# KiCad board 11-10084__speedy_processing_module__B.kicad_pcb (continued)
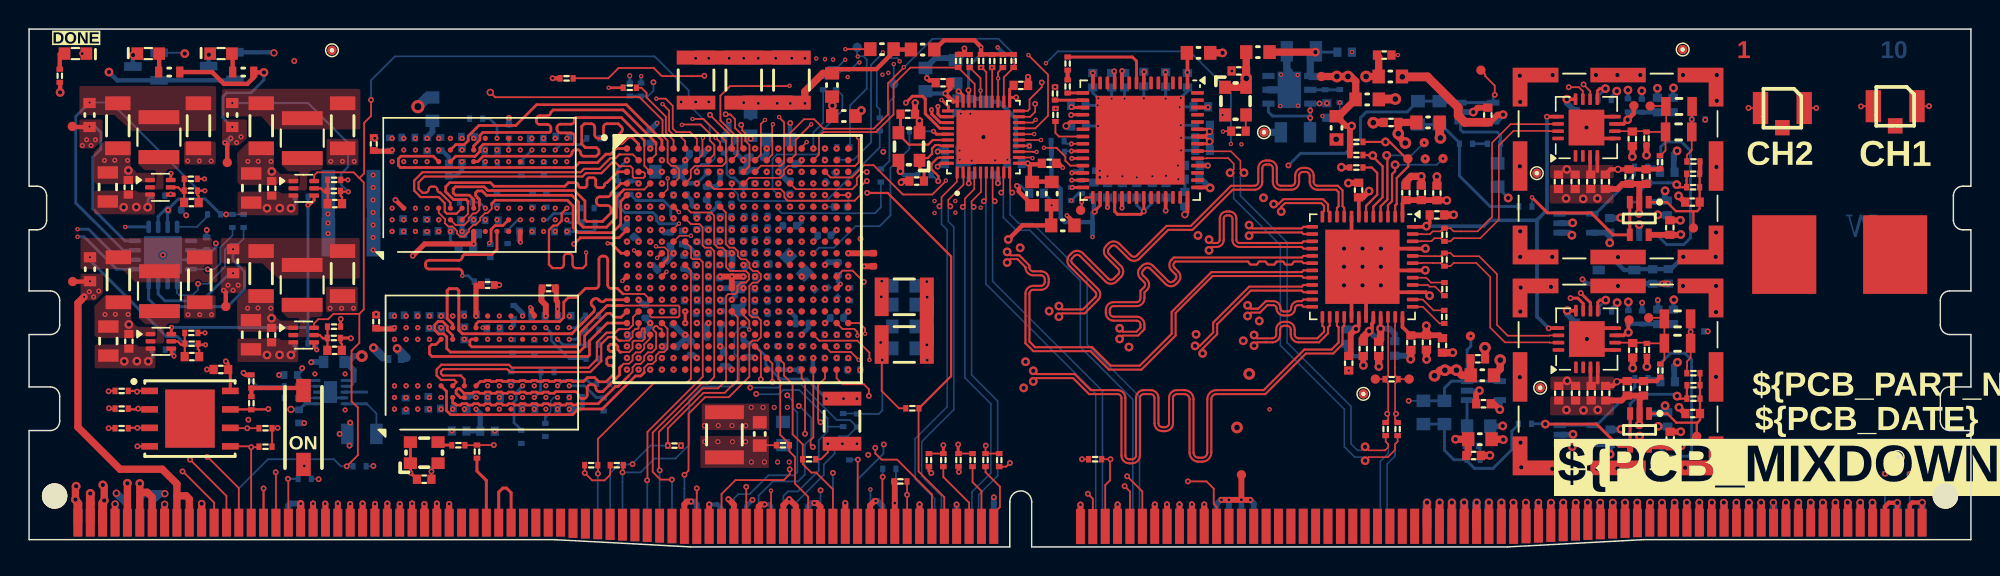
[diagram p0: board, top side]
## Routing (per net, layer and track width the routed paths; a pad name or vN(x,y) marks a point on that pad's centre or on a via; arc(x,y) is an arc through that point) (continued)
  L1 w0.143: 76.3,15.05 76.32,15.07 76.32,15.29 arc(76.24,15.48) 76.06,15.55 74.48,15.55 arc(74.1,15.71) 73.94,16.09 73.94,16.29 arc(74.1,16.67) 74.48,16.83 76.06,16.83 arc(76.24,16.9) 76.32,17.09 76.32,17.61 76.57,17.86 arc(76.64,18.03) 76.57,18.2 76.31,18.47 arc(76.16,18.83) 76.31,19.2 76.44,19.33 arc(76.81,19.49) 77.17,19.33 78.24,18.26 arc(78.41,18.19) 78.59,18.26 78.72,18.4 arc(78.79,18.57) 78.72,18.74 78.45,19.01 arc(78.3,19.37) 78.45,19.74 78.61,19.89 87.4,19.89 87.52,20.01 U9.17
  L5 w0.133: v3(74.89,15.03) 74.66,14.79 72.92,14.79 arc(72.54,14.64) 72.38,14.26 72.38,13.84 arc(72.31,13.65) 72.12,13.57 71.92,13.57 arc(71.73,13.65) 71.65,13.84 71.65,14.92 arc(71.53,15.2) 71.26,15.32 70.78,15.32 arc(70.5,15.2) 70.38,14.92 70.38,13.84 arc(70.31,13.65) 70.12,13.57 69.92,13.57 arc(69.73,13.65) 69.65,13.84 69.65,14.26 arc(69.49,14.64) 69.12,14.79 68.12,14.79 arc(67.75,14.64) 67.6,14.28 67.6,13.14 arc(67.53,12.97) 67.36,12.89 67.17,12.89 arc(66.99,12.97) 66.92,13.14 66.92,14.28 arc(66.77,14.64) 66.41,14.79 65.86,14.79 arc(65.72,14.85) 65.66,15 arc(65.52,15.33) 65.19,15.47 64.86,15.47 arc(64.53,15.33) 64.39,15 arc(64.33,14.85) 64.19,14.79 63.74,14.79 arc(63.37,14.64) 63.21,14.26 63.21,13.3 arc(63.13,13.11) 62.94,13.03 62.74,13.03 arc(62.56,13.11) 62.48,13.3 62.48,14.26 arc(62.32,14.64) 61.94,14.79 58.38,14.79 57.7,15.47 55.37,15.47 54.92,15.03 54.92,14.86 v2(54.66,14.59)
/TOP_LEVEL_IO/ZYNQ_FPGA/LCLK-: length 57.4
  L1 w0.133: v3(74.89,14.3) 75.12,14.53 76.15,14.53 76.48,14.86
  L1 w0.143: U9.18 87.52,19.51 87.4,19.62 86.9,19.62 arc(86.82,19.59) 86.79,19.52 arc(86.76,19.44) 86.68,19.41 86.3,19.41 arc(86.22,19.44) 86.19,19.52 arc(86.16,19.59) 86.08,19.62 85.7,19.62 arc(85.62,19.59) 85.59,19.52 arc(85.56,19.44) 85.48,19.41 85.1,19.41 arc(85.02,19.44) 84.99,19.52 arc(84.96,19.59) 84.88,19.62 84.5,19.62 arc(84.42,19.59) 84.39,19.51 arc(84.36,19.44) 84.28,19.41 83.9,19.41 arc(83.82,19.44) 83.79,19.51 arc(83.76,19.59) 83.68,19.62 78.72,19.62 78.65,19.55 arc(78.58,19.37) 78.65,19.2 78.91,18.94 arc(79.06,18.57) 78.91,18.21 78.78,18.07 arc(78.41,17.92) 78.05,18.07 76.98,19.14 arc(76.81,19.21) 76.63,19.14 76.5,19.01 arc(76.43,18.83) 76.5,18.66 76.77,18.4 arc(76.92,18.03) 76.77,17.67 76.59,17.49 76.59,17.09 arc(76.44,16.71) 76.06,16.55 74.48,16.55 arc(74.29,16.48) 74.22,16.29 74.22,16.09 arc(74.29,15.9) 74.48,15.83 76.06,15.83 arc(76.44,15.67) 76.59,15.29 76.59,14.97 76.48,14.86
  L5 w0.133: v3(74.89,14.3) 74.66,14.53 72.92,14.53 arc(72.73,14.45) 72.65,14.26 72.65,13.84 arc(72.49,13.47) 72.12,13.31 71.92,13.31 arc(71.54,13.47) 71.38,13.84 71.38,14.92 arc(71.35,15.01) 71.26,15.05 70.78,15.05 arc(70.69,15.01) 70.65,14.92 70.65,13.84 arc(70.49,13.47) 70.12,13.31 69.92,13.31 arc(69.54,13.47) 69.38,13.84 69.38,14.26 arc(69.31,14.45) 69.12,14.53 68.12,14.53 arc(67.94,14.46) 67.87,14.28 67.87,13.14 arc(67.72,12.78) 67.36,12.63 67.17,12.63 arc(66.8,12.78) 66.65,13.14 66.65,14.28 arc(66.58,14.46) 66.41,14.53 65.86,14.53 arc(65.53,14.67) 65.39,15 arc(65.33,15.14) 65.19,15.2 64.86,15.2 arc(64.72,15.14) 64.66,15 arc(64.52,14.67) 64.19,14.53 63.74,14.53 arc(63.56,14.45) 63.48,14.26 63.48,13.3 arc(63.32,12.93) 62.94,12.77 62.74,12.77 arc(62.37,12.93) 62.21,13.3 62.21,14.26 arc(62.13,14.45) 61.94,14.53 58.28,14.53 57.6,15.21 55.47,15.21 55.19,14.92 55.19,14.86 v2(55.46,14.59)
/TOP_LEVEL_IO/ZYNQ_PS/DDR3_A0: length 42.7
  L7 w0.1: v2(34.53,23.29) 34.53,23.04 34.88,22.69 34.88,22.25 34.65,22.01 34.39,22.01 34.13,21.74 34.13,21.19
  L7 w0.155: 34.13,21.19 34.13,20.52 arc(34.07,20.38) 33.93,20.32 33.65,20.32 arc(33.51,20.27) 33.46,20.13 33.46,20.04 arc(33.51,19.9) 33.65,19.84 33.93,19.84 arc(34.07,19.79) 34.13,19.65 34.13,19.56 arc(34.07,19.42) 33.93,19.36 33.65,19.36 arc(33.51,19.31) 33.46,19.17 33.46,19.08 arc(33.51,18.94) 33.65,18.88 33.93,18.88 arc(34.07,18.83) 34.13,18.69 34.13,18.6 arc(34.07,18.46) 33.93,18.4 33.65,18.4 arc(33.51,18.35) 33.46,18.21 33.46,18.12 arc(33.51,17.98) 33.65,17.92 34.4,17.92 arc(34.54,17.87) 34.6,17.73 34.6,17.64 arc(34.54,17.5) 34.4,17.44 34.32,17.44 arc(34.18,17.39) 34.13,17.25 34.13,16.67 34.07,16.61 34.07,16.32 34.3,16.09 34.3,14.04 34.69,13.65 v2(34.69,11.07) 34.69,10.77 35.08,10.39 35.08,9.39 35.65,8.82 38.07,8.82 arc(38.24,8.89) 38.31,9.06 38.31,9.08 arc(38.39,9.25) 38.55,9.32 38.67,9.32 arc(38.84,9.25) 38.91,9.08 38.91,9.06 arc(38.99,8.89) 39.15,8.82 39.3,8.82 39.64,9.16 arc(39.69,9.28) 39.64,9.4 39.42,9.61 arc(39.37,9.74) 39.42,9.86 39.48,9.92 arc(39.6,9.97) 39.73,9.92 39.94,9.7 arc(40.06,9.65) 40.18,9.7 40.25,9.76 arc(40.3,9.88) 40.25,10.01 40.03,10.22 arc(39.98,10.34) 40.03,10.47 40.09,10.53 arc(40.21,10.58) 40.33,10.53 40.55,10.31 arc(40.67,10.26) 40.79,10.31 40.85,10.37 arc(40.9,10.49) 40.85,10.61 40.39,11.08 arc(40.34,11.2) 40.39,11.32 40.45,11.38 arc(40.57,11.43) 40.69,11.38 41.16,10.92 arc(41.28,10.87) 41.4,10.92 41.5,11.02 41.5,14.74 40.45,15.79 40.33,15.79 39.68,16.44 39.68,18.22 40.49,19.03 41.91,19.03 42.21,18.73 42.21,18.3 41.86,17.95 v2(41.86,17.79)
/TOP_LEVEL_IO/ZYNQ_PS/DDR3_A1: length 42.7
  L1 w0.187: 41.74,20.19 v2(41.54,20.38)
  L5 w0.155: v2(41.54,20.38) 42.04,20.38 42.3,20.64 42.3,21.27 42.15,21.42 41.48,21.42 41.41,21.35 41.41,20.84 41.06,20.49 40.38,20.49 39.88,19.99 39.18,19.99 38.68,19.49 38.68,18.34 arc(38.71,18.24) 38.81,18.2 arc(38.91,18.16) 38.95,18.07 38.95,17.74 arc(38.91,17.64) 38.81,17.6 arc(38.71,17.56) 38.68,17.47 38.68,17.14 arc(38.71,17.04) 38.81,17 arc(38.91,16.96) 38.95,16.87 38.95,16.54 arc(38.91,16.44) 38.81,16.4 arc(38.71,16.36) 38.68,16.27 38.68,15.94 arc(38.71,15.84) 38.81,15.8 arc(38.91,15.76) 38.95,15.67 38.95,15.34 arc(38.91,15.24) 38.81,15.2 arc(38.71,15.16) 38.68,15.07 38.68,14.42 38.15,13.89 arc(38.1,13.76) 38.15,13.63 arc(38.2,13.5) 38.15,13.37 37.99,13.21 arc(37.86,13.15) 37.73,13.21 arc(37.59,13.26) 37.46,13.21 37.2,12.94 36.64,12.94 arc(36.47,13.01) 36.4,13.18 36.4,13.46 arc(36.33,13.63) 36.16,13.7 36.04,13.7 arc(35.87,13.63) 35.8,13.46 35.8,13.18 arc(35.73,13.01) 35.56,12.94 33.63,12.94 33.48,13.09 33.48,13.59 33.78,13.89 34,13.89 34.38,13.52 35.08,13.52 35.5,13.94 35.5,14.26 v2(35.49,14.27) 35.14,14.63 35.14,15.29 34.83,15.61 34.83,16.82 34.15,17.49 34.15,17.88 arc(34.21,18.03) 34.35,18.08 34.51,18.08 arc(34.65,18.14) 34.71,18.28 34.71,18.38 arc(34.65,18.53) 34.51,18.58 33.84,18.58 arc(33.7,18.64) 33.64,18.78 33.64,18.88 arc(33.7,19.03) 33.84,19.08 34.51,19.08 arc(34.65,19.14) 34.71,19.28 34.71,19.38 arc(34.65,19.53) 34.51,19.58 33.84,19.58 arc(33.7,19.64) 33.64,19.78 33.64,19.88 arc(33.7,20.03) 33.84,20.08 34.51,20.08 arc(34.65,20.14) 34.71,20.28 34.71,20.38 arc(34.65,20.53) 34.51,20.58 34.35,20.58 arc(34.21,20.64) 34.15,20.78 34.15,21.04 33.38,21.82 33.38,23.68 33.52,23.83 arc(33.59,23.86) 33.66,23.83 arc(33.73,23.8) 33.8,23.83 33.96,23.99 arc(33.99,24.06) 33.96,24.13 33.82,24.27 arc(33.79,24.34) 33.82,24.41 33.99,24.58 arc(34.06,24.61) 34.13,24.58 34.27,24.44 arc(34.34,24.41) 34.41,24.44 34.57,24.6 arc(34.6,24.67) 34.57,24.74 34.43,24.88 arc(34.4,24.95) 34.43,25.02 34.59,25.18 arc(34.66,25.21) 34.74,25.18 arc(34.81,25.16) 34.88,25.18 35.33,25.64 v2(35.33,26.49)
/TOP_LEVEL_IO/ZYNQ_PS/DDR3_A2: length 44.4
  L7 w0.155: v2(35.33,23.29) 35.33,25.12 35.7,25.49 36.13,25.49 36.28,25.64 36.28,25.99 36.15,26.12 35.43,26.12 34.88,25.58 34.88,23.01 35.03,22.87 35.48,22.87 35.68,22.66 35.68,21.41 arc(35.74,21.28) 35.87,21.23 arc(36,21.17) 36.05,21.04 36.05,20.81 arc(36,20.68) 35.87,20.63 35.5,20.63 arc(35.37,20.57) 35.31,20.44 35.31,20.21 arc(35.37,20.08) 35.5,20.03 35.87,20.03 arc(36,19.97) 36.05,19.84 36.05,19.61 arc(36,19.48) 35.87,19.43 35.5,19.43 arc(35.37,19.37) 35.31,19.24 35.31,19.01 arc(35.37,18.88) 35.5,18.83 35.87,18.83 arc(36,18.77) 36.05,18.64 36.05,18.41 arc(36,18.28) 35.87,18.23 arc(35.74,18.17) 35.68,18.04 35.68,17.13 35.85,16.97 35.85,13.92 35.49,13.56 v2(35.49,11.07) 35.49,10.94 35.94,10.49 35.94,10.03 36.05,9.92 38.05,9.92 38.83,10.69 38.83,11.27 arc(38.9,11.44) 39.07,11.51 39.54,11.51 arc(39.7,11.58) 39.78,11.75 39.78,11.87 arc(39.7,12.04) 39.54,12.11 39.07,12.11 arc(38.9,12.18) 38.83,12.35 38.83,19.49 39.13,19.79 39.13,20.77 39.65,21.29 40.13,21.29 41.68,19.74 42,19.74 42.28,19.47 42.28,19.19 42.66,18.81 v2(42.66,18.59)
/TOP_LEVEL_IO/ZYNQ_PS/DDR3_A3: length 44.5
  L7 w0.1: 42.78,19.74 42.78,19.73 43.01,19.49 43.13,19.49
  L7 w0.155: 43.13,19.49 43.3,19.49 43.64,19.83 43.64,20.16 44.15,20.67 44.15,20.9 arc(44.18,20.98) 44.26,21.01 44.59,21.01 arc(44.67,21.04) 44.7,21.12 44.7,21.18 arc(44.67,21.26) 44.59,21.29 44.26,21.29 arc(44.18,21.32) 44.15,21.4 44.15,21.46 arc(44.18,21.54) 44.26,21.57 44.49,21.57 arc(44.57,21.6) 44.6,21.68 44.6,21.74 arc(44.57,21.82) 44.49,21.85 44.26,21.85 arc(44.18,21.88) 44.15,21.96 44.15,22.14 43.9,22.39 43.9,22.79 45.48,24.37 45.48,26.67 44.4,27.74 38.27,27.74 37.47,26.93 35.17,26.93 34.88,26.65 34.88,26.34 34.18,25.63 34.18,25.23 arc(34.12,25.11) 34,25.05 33.92,25.05 arc(33.79,25) 33.74,24.87 33.74,24.78 arc(33.79,24.66) 33.92,24.6 34.44,24.6 arc(34.56,24.55) 34.62,24.42 34.62,24.33 arc(34.56,24.21) 34.44,24.15 33.92,24.15 arc(33.79,24.1) 33.74,23.97 33.74,23.88 arc(33.79,23.76) 33.92,23.7 34,23.7 arc(34.12,23.65) 34.18,23.52 34.18,22.98 34.53,22.63 v2(34.53,22.49) 34.53,22.47 33.18,21.12 33.18,17.44 33.44,17.17 33.44,14.22 34.3,13.37 34.3,10.77 34.35,10.72 34.35,10.62 v2(34.69,10.27) ; v2(42.66,20.19) 42.66,19.86 42.77,19.74
  L10 w0.187: v2(34.69,10.27) 35.12,10.7 35.12,12.02
/TOP_LEVEL_IO/ZYNQ_PS/DDR3_A4: length 44.6
  L1 w0.187: v2(43.78,18.92) 43.46,18.6
  L5 w0.155: v2(35.49,15.07) 35.49,15.3 35.14,15.66 35.14,20.51 34.18,21.47 34.18,23.67 35.68,25.18 35.68,26.68 35.33,27.04 v2(35.33,27.29) 34.98,27.64 34.98,28.47 35.95,29.44 40.95,29.44 42.25,28.14 42.25,27.06 42.73,26.58 42.73,25.14 44.2,23.67 44.2,23.03 43.9,22.73 43.9,22.2 44.2,21.9 44.2,21.29 44.95,20.54 46.8,20.54 47.1,20.24 47.1,18.47 46.77,18.14 44.03,18.14 44.03,18.14 43.98,18.14 43.78,18.34 v2(43.78,18.92)
  L10 w0.187: v2(35.49,15.07) 35.86,14.7 35.86,14.18 37.1,12.94 38.22,12.94
/TOP_LEVEL_IO/ZYNQ_PS/DDR3_A5: length 42.9
  L7 w0.155: v2(41.06,19.39) 40.79,19.65 40.79,20.21 40.41,20.59 39.95,20.59 39.53,20.17 39.53,19.85 arc(39.6,19.68) 39.77,19.61 39.99,19.61 arc(40.15,19.54) 40.23,19.37 40.23,19.25 arc(40.15,19.08) 39.99,19.01 39.77,19.01 arc(39.6,18.94) 39.53,18.77 39.53,18.69 39.2,18.37 39.2,16.28 40.08,15.4 40.08,14.52 arc(40.02,14.39) 39.89,14.34 39.49,14.34 arc(39.36,14.28) 39.31,14.15 39.31,14.05 arc(39.36,13.92) 39.49,13.87 40.51,13.87 arc(40.64,13.81) 40.7,13.68 40.7,13.58 arc(40.64,13.45) 40.51,13.4 39.49,13.4 arc(39.36,13.34) 39.31,13.21 39.31,13.11 arc(39.36,12.98) 39.49,12.93 40.56,12.93 arc(40.69,12.87) 40.75,12.74 40.75,12.64 arc(40.69,12.51) 40.56,12.46 40.26,12.46 arc(40.13,12.4) 40.08,12.27 40.08,10.89 39.96,10.78 arc(39.79,10.71) 39.62,10.78 39.57,10.83 arc(39.4,10.9) 39.23,10.83 39.15,10.74 arc(39.08,10.57) 39.15,10.4 39.2,10.36 arc(39.27,10.19) 39.2,10.02 39.08,9.89 38.68,9.89 38.35,9.57 37.75,9.57 37.3,9.12 36.15,9.12 35.94,9.33 35.94,9.33 35.84,9.42 35.84,9.7 35.49,10.05 v2(35.49,10.27) 35.49,10.58 35.35,10.72 35.34,10.72 35.14,10.93 35.14,10.93 35.1,10.97 35.1,16.57 34.98,16.69 34.98,17.32 arc(35.04,17.46) 35.18,17.52 arc(35.33,17.58) 35.39,17.73 35.39,17.92 arc(35.33,18.06) 35.18,18.12 34.71,18.12 arc(34.54,18.19) 34.47,18.36 34.47,18.48 arc(34.54,18.65) 34.71,18.72 34.74,18.72 arc(34.91,18.79) 34.98,18.96 34.98,19.08 arc(34.91,19.25) 34.74,19.32 34.71,19.32 arc(34.54,19.39) 34.47,19.56 34.47,19.68 arc(34.54,19.85) 34.71,19.92 34.74,19.92 arc(34.91,19.99) 34.98,20.16 34.98,20.28 arc(34.91,20.45) 34.74,20.52 34.71,20.52 arc(34.54,20.59) 34.47,20.76 34.47,20.88 arc(34.54,21.05) 34.71,21.12 34.74,21.12 arc(34.91,21.19) 34.98,21.36 34.98,21.86 35.33,22.21 v2(35.33,22.49)
  L10 w0.187: 37.87,23.29 37.5,22.92 36.03,22.92 35.6,22.49 v2(35.33,22.49)
/TOP_LEVEL_IO/ZYNQ_PS/DDR3_A6: length 45.7
  L1 w0.1: 43.83,19.76 43.88,19.81 43.88,20.37 43.65,20.59 43.13,20.59 v2(43.05,20.67)
  L1 w0.187: IC1.L4 43.83,19.76
  L5 w0.1: 43.9,19.29 43.9,19.28 44.19,18.99 44.4,18.99
  L5 w0.155: v2(36.13,27.29) 36.13,27.21 36.48,26.86 36.48,26.36 36.55,26.29 36.55,24.47 35.75,23.67 35.75,21.24 36.74,20.26 36.74,19.51 arc(36.68,19.37) 36.54,19.31 arc(36.4,19.25) 36.34,19.11 36.34,18.91 arc(36.4,18.77) 36.54,18.71 36.91,18.71 arc(37.04,18.66) 37.09,18.53 37.09,18.28 arc(37.04,18.16) 36.91,18.11 36.54,18.11 arc(36.4,18.05) 36.34,17.91 36.34,17.71 arc(36.4,17.57) 36.54,17.51 36.91,17.51 arc(37.04,17.46) 37.09,17.33 37.09,17.08 arc(37.04,16.96) 36.91,16.91 arc(36.79,16.86) 36.74,16.73 36.74,15.83 36.29,15.38 v2(36.29,15.07) 36.29,14.77 36.74,14.33 36.74,14.13 36.94,13.92 37.24,13.92 37.44,14.13 37.44,14.31 38.3,15.17 38.3,19.79 38.6,20.1 38.6,20.5 38.3,20.81 38.3,20.97 38.45,21.12 38.93,21.12 39.53,20.52 39.87,20.52 40.3,20.94 40.3,21.54 40.5,21.75 40.93,21.75 41.42,22.23 41.91,22.23 42.12,22.02 42.33,22.02 42.54,22.23 42.78,22.23 43,22.02 43.13,22.02 43.33,22.22 43.52,22.22 43.88,21.87 43.88,21.12 44.7,20.29 44.7,19.89 44.78,19.82 45.93,19.82 46.28,19.47 46.28,19.14 46.13,18.99 44.4,18.99 ; 43.9,19.29 43.8,19.39 43.8,19.69 43.05,20.44 v2(43.05,20.67)
  L10 w0.187: 38.27,28.09 37.83,27.66 36.5,27.66 v2(36.13,27.29)
/TOP_LEVEL_IO/ZYNQ_PS/DDR3_A7: length 45.2
  L1 w0.187: 43.45,20.19 v2(43.13,19.87)
  L7 w0.155: v2(43.13,19.87) 43.13,20.16 43.81,20.84 43.81,22.03 43.6,22.23 43.18,22.23 43.05,22.37 43.05,22.69 43.3,22.94 43.51,22.94 44.7,24.13 44.7,25.13 arc(44.77,25.28) 44.92,25.35 arc(45.08,25.41) 45.14,25.57 45.14,25.73 arc(45.08,25.88) 44.92,25.95 44.48,25.95 arc(44.33,26.01) 44.26,26.17 44.26,26.33 arc(44.33,26.48) 44.48,26.55 arc(44.64,26.61) 44.7,26.77 44.23,27.24 43.15,27.24 42.75,26.84 42.13,26.84 41.65,27.32 40.76,27.32 arc(40.65,27.27) 40.6,27.16 40.6,26.27 arc(40.56,26.16) 40.45,26.12 40.37,26.12 arc(40.26,26.16) 40.21,26.27 40.21,27.16 arc(40.17,27.27) 40.06,27.32 39.98,27.32 arc(39.87,27.27) 39.82,27.16 39.82,26.27 arc(39.78,26.16) 39.67,26.12 39.59,26.12 arc(39.48,26.16) 39.43,26.27 39.43,27.16 arc(39.39,27.27) 39.28,27.32 39.2,27.32 arc(39.09,27.27) 39.04,27.16 39.04,26.27 arc(39,26.16) 38.89,26.12 38.81,26.12 arc(38.7,26.16) 38.65,26.27 38.65,27.16 arc(38.61,27.27) 38.5,27.32 38.35,27.32 37.98,26.94 37.98,26.22 36.73,24.97 35.93,24.97 35.7,24.74 35.7,23.12 36.13,22.69 v2(36.13,22.49) 36.13,22.23 36.48,21.88 36.48,17.25 36.64,17.09 36.64,14.01 35.93,13.29 35.93,10.92 36.29,10.55 v2(36.29,10.27)
  L10 w0.1: 35.69,9.21 35.82,9.34 35.82,10.06 36.04,10.27 v2(36.29,10.27)
  L10 w0.187: 35.45,8.52 35.45,8.91 35.72,9.18
/TOP_LEVEL_IO/ZYNQ_PS/DDR3_A8: length 42.1
  L1 w0.187: IC1.K1 40.66,20.19 39.97,20.87 v2(39.73,20.87)
  L5 w0.155: v2(37.09,15.07) 37.33,15.07 37.88,15.62 37.88,20.92 37.4,21.39 37.4,26.82 v2(36.93,27.29) 37.11,27.47 38.25,27.47 38.6,27.12 arc(38.67,26.95) 38.6,26.78 37.96,26.14 arc(37.89,25.97) 37.96,25.8 38.04,25.71 arc(38.21,25.64) 38.38,25.71 39.02,26.36 arc(39.19,26.43) 39.36,26.36 39.6,26.12 39.6,25 arc(39.55,24.87) 39.42,24.82 38.04,24.82 arc(37.91,24.76) 37.86,24.64 37.86,24.55 arc(37.91,24.42) 38.04,24.37 39.42,24.37 arc(39.55,24.31) 39.6,24.19 39.6,24.1 arc(39.55,23.97) 39.42,23.92 38.04,23.92 arc(37.91,23.86) 37.86,23.74 37.86,23.65 arc(37.91,23.52) 38.04,23.47 39.42,23.47 arc(39.55,23.41) 39.6,23.29 39.6,23.2 arc(39.55,23.07) 39.42,23.02 38.04,23.02 arc(37.91,22.96) 37.86,22.84 37.86,22.75 arc(37.91,22.62) 38.04,22.57 40.56,22.57 arc(40.69,22.51) 40.74,22.39 40.74,22.3 arc(40.69,22.17) 40.56,22.12 38.04,22.12 arc(37.91,22.06) 37.86,21.94 37.86,21.85 arc(37.91,21.72) 38.04,21.67 39.42,21.67 arc(39.55,21.61) 39.6,21.49 39.6,21 v2(39.73,20.87)
  L10 w0.187: 38.17,15.89 37.85,15.57 37.85,15.39 37.53,15.07 v2(37.09,15.07)
/TOP_LEVEL_IO/ZYNQ_PS/DDR3_A9: length 43
  L7 w0.155: v2(43.46,20.99) 43.05,21.39 42.38,21.39 42.25,21.52 42.25,23.48 42.6,23.83 43.72,23.83 43.9,24.02 43.9,24.82 44.2,25.12 44.2,25.19 44.2,25.2 44.2,25.49 43.93,25.77 43.93,26.62 43.6,26.94 43.25,26.94 42.83,26.52 42.15,26.52 41.39,25.76 arc(41.22,25.69) 41.05,25.76 40.94,25.87 arc(40.77,25.94) 40.6,25.87 40.51,25.79 arc(40.44,25.62) 40.51,25.45 40.63,25.33 arc(40.7,25.16) 40.63,24.99 40.43,24.79 40.08,24.79 arc(39.97,24.84) 39.92,24.96 39.92,25.6 arc(39.87,25.71) 39.76,25.76 39.67,25.76 arc(39.56,25.71) 39.51,25.6 39.51,24.63 arc(39.46,24.52) 39.35,24.47 39.26,24.47 arc(39.15,24.52) 39.1,24.63 39.1,25.6 arc(39.05,25.71) 38.94,25.76 38.85,25.76 arc(38.74,25.71) 38.69,25.6 38.69,24.63 arc(38.64,24.52) 38.53,24.47 38.44,24.47 arc(38.33,24.52) 38.28,24.63 38.28,25.6 arc(38.23,25.71) 38.12,25.76 38.03,25.76 arc(37.92,25.71) 37.87,25.6 37.87,24.96 arc(37.82,24.84) 37.71,24.79 37.03,24.79 36.13,23.9 v2(36.13,23.29) 36.13,23.09 36.48,22.73 36.48,22.43 36.88,22.04 37.08,22.04 37.28,21.83 37.28,21.28 37.03,21.02 37.03,16.52 37.48,16.07 37.48,14.09 37.08,13.69 37.08,12.95 arc(37,12.78) 36.84,12.71 36.47,12.71 arc(36.3,12.64) 36.23,12.47 36.23,12.35 arc(36.3,12.18) 36.47,12.11 36.84,12.11 arc(37,12.04) 37.08,11.87 37.08,11.59 36.56,11.07 v2(36.29,11.07)
  L10 w0.187: 38.95,11.22 38.58,11.22 38.35,11.44 36.66,11.44 v2(36.29,11.07)
/TOP_LEVEL_IO/ZYNQ_PS/DDR3_A10: length 43
  L1 w0.187: IC1.F5 v2(44.63,23.02)
  L5 w0.155: v2(44.63,23.02) 44.63,24.79 arc(44.68,24.92) 44.81,24.97 45.34,24.97 arc(45.46,25.02) 45.52,25.15 45.52,25.24 arc(45.46,25.37) 45.34,25.42 44.37,25.42 arc(44.24,25.47) 44.19,25.6 44.19,25.69 arc(44.24,25.82) 44.37,25.87 44.77,25.87 arc(44.87,25.91) 44.92,26.01 44.92,26.17 arc(44.87,26.28) 44.77,26.32 44.02,26.32 arc(43.89,26.37) 43.84,26.5 43.84,26.59 arc(43.89,26.72) 44.02,26.77 44.45,26.77 arc(44.57,26.82) 44.63,26.95 44.63,27.04 arc(44.57,27.17) 44.45,27.22 43.87,27.22 arc(43.74,27.27) 43.69,27.4 43.69,27.49 arc(43.74,27.62) 43.87,27.67 45.39,27.67 arc(45.51,27.72) 45.57,27.85 45.57,27.94 arc(45.51,28.07) 45.39,28.12 44.81,28.12 arc(44.68,28.17) 44.63,28.3 44.63,28.39 42.45,30.57 34.85,30.57 33.35,29.07 33.35,26.91 v2(32.93,26.49) 32.83,26.38 32.83,25.48 30.98,23.63 30.98,20.34 31.68,19.64 31.68,17.87 32.74,16.8 32.74,16.18 33.24,15.68 33.24,15.48 33.44,15.27 33.44,14.63 v2(33.09,14.27)
/TOP_LEVEL_IO/ZYNQ_PS/DDR3_A11: length 42.4
  L5 w0.155: v2(36.29,14.27) 35.94,14.63 35.94,16.14 arc(35.88,16.27) 35.75,16.32 35.68,16.32 arc(35.55,16.37) 35.5,16.5 35.5,16.6 arc(35.55,16.73) 35.68,16.78 36.19,16.78 arc(36.32,16.83) 36.38,16.96 36.38,17.06 arc(36.32,17.19) 36.19,17.24 35.68,17.24 arc(35.55,17.29) 35.5,17.42 35.5,17.52 arc(35.55,17.65) 35.68,17.7 35.75,17.7 arc(35.88,17.75) 35.94,17.88 35.94,17.98 arc(35.88,18.11) 35.75,18.16 35.68,18.16 arc(35.55,18.21) 35.5,18.34 35.5,18.44 arc(35.55,18.57) 35.68,18.62 35.75,18.62 arc(35.88,18.67) 35.94,18.8 35.94,18.9 arc(35.88,19.03) 35.75,19.08 35.68,19.08 arc(35.55,19.13) 35.5,19.26 35.5,19.36 arc(35.55,19.49) 35.68,19.54 36.19,19.54 arc(36.32,19.59) 36.38,19.72 36.38,19.82 arc(36.32,19.95) 36.19,20 36.12,20 arc(35.99,20.05) 35.94,20.18 35.94,20.41 34.98,21.37 34.98,23.47 35.1,23.59 arc(35.14,23.69) 35.1,23.79 35,23.89 arc(34.96,23.99) 35,24.09 35.05,24.14 arc(35.15,24.18) 35.25,24.14 35.35,24.04 arc(35.45,24) 35.55,24.04 35.6,24.09 arc(35.64,24.19) 35.6,24.29 35.5,24.39 arc(35.46,24.48) 35.5,24.58 35.55,24.63 arc(35.65,24.67) 35.74,24.63 35.84,24.53 arc(35.94,24.49) 36.04,24.53 36.13,24.62 v2(36.13,26.49) 36.13,26.79 35.78,27.14 35.78,28.23 36.14,28.59 36.59,28.59 arc(36.7,28.64) 36.75,28.75 36.75,28.9 arc(36.8,29.02) 36.91,29.06 36.99,29.06 arc(37.1,29.02) 37.15,28.9 37.15,28.75 arc(37.2,28.64) 37.31,28.59 37.39,28.59 arc(37.5,28.64) 37.55,28.75 37.55,28.9 arc(37.6,29.02) 37.71,29.06 37.79,29.06 arc(37.9,29.02) 37.95,28.9 37.95,28.75 arc(38,28.64) 38.11,28.59 38.19,28.59 arc(38.3,28.64) 38.35,28.75 38.35,28.9 arc(38.4,29.02) 38.51,29.06 38.59,29.06 arc(38.7,29.02) 38.75,28.9 38.75,28.28 arc(38.8,28.17) 38.91,28.12 38.99,28.12 arc(39.1,28.17) 39.15,28.28 39.15,28.43 arc(39.2,28.55) 39.31,28.59 39.73,28.59 arc(39.85,28.54) 39.97,28.59 40.14,28.75 arc(40.26,28.81) 40.38,28.75 40.45,28.69 arc(40.5,28.57) 40.45,28.44 39.87,27.87 arc(39.82,27.75) 39.87,27.62 39.94,27.56 arc(40.06,27.51) 40.19,27.56 40.76,28.13 arc(40.88,28.18) 41.01,28.13 41.07,28.07 arc(41.12,27.94) 41.07,27.82 40.6,27.36 arc(40.55,27.23) 40.6,27.11 40.67,27.04 arc(40.79,26.99) 40.91,27.04 41.38,27.51 arc(41.5,27.56) 41.63,27.51 41.69,27.45 arc(41.74,27.32) 41.69,27.2 41.53,27.04 arc(41.48,26.91) 41.53,26.79 41.59,26.73 arc(41.72,26.67) 41.84,26.73 41.9,26.78 arc(42.02,26.83) 42.14,26.78 42.21,26.72 arc(42.26,26.59) 42.21,26.47 42.15,26.41 arc(42.1,26.29) 42.15,26.17 42.38,25.94 42.38,24.97 43.08,24.27 43.08,23.92 43.23,23.77 43.57,23.77 43.81,23.53 43.81,23.24 43.46,22.89 v2(43.46,22.59)
  L10 w0.187: 38.22,13.89 36.67,13.89 v2(36.29,14.27)
/TOP_LEVEL_IO/ZYNQ_PS/DDR3_A12: length 37.8
  L1 w0.1: IC1.E4 43.85,24.58 v2(43.85,25.34)
  L5 w0.155: v2(34.69,14.27) 34.34,14.63 34.34,15.16 33.97,15.52 33.74,15.52 33.54,15.73 33.54,16.71 32.83,17.42 32.83,19.87 32.08,20.62 32.08,21.39 31.7,21.77 31.7,23.66 33.25,25.21 arc(33.3,25.33) 33.25,25.45 arc(33.2,25.57) 33.25,25.69 33.32,25.76 arc(33.44,25.81) 33.56,25.76 33.8,25.52 arc(33.92,25.47) 34.04,25.52 34.11,25.59 arc(34.16,25.71) 34.11,25.83 33.81,26.14 arc(33.76,26.26) 33.81,26.39 33.87,26.45 arc(33.99,26.5) 34.12,26.45 34.18,26.39 arc(34.31,26.34) 34.43,26.39 v2(34.53,26.49) 34.18,26.84 34.18,28.87 35.33,30.02 41.15,30.02 41.57,29.6 arc(41.66,29.56) 41.76,29.6 42.11,29.95 arc(42.2,29.99) 42.29,29.95 42.34,29.9 arc(42.38,29.81) 42.34,29.71 41.81,29.18 arc(41.77,29.09) 41.81,28.99 41.85,28.95 arc(41.95,28.91) 42.04,28.95 42.5,29.41 arc(42.6,29.45) 42.69,29.41 42.74,29.36 arc(42.78,29.27) 42.74,29.18 42.27,28.71 arc(42.23,28.62) 42.27,28.53 42.32,28.48 arc(42.41,28.44) 42.51,28.48 42.79,28.77 arc(42.89,28.81) 42.98,28.77 43.03,28.72 arc(43.07,28.63) 43.03,28.53 42.92,28.43 arc(42.89,28.34) 42.92,28.24 43.1,28.07 43.1,25.64 43.35,25.39 43.8,25.39 v2(43.85,25.34)
/TOP_LEVEL_IO/ZYNQ_PS/DDR3_A13: length 37.3
  L1 w0.155: v2(36.93,23.29) 36.57,22.93 36.57,22.42 36.24,22.09 36,22.09 35.7,21.79 35.7,19.42 35.95,19.17 36.48,19.17 arc(36.65,19.24) 36.72,19.41 36.72,19.93 arc(36.79,20.1) 36.96,20.17 37.08,20.17 arc(37.25,20.1) 37.32,19.93 37.32,19.41 arc(37.39,19.24) 37.56,19.17 38.03,19.17 38.25,19.39 v2(38.25,20.24)
  L7 w0.155: v2(38.25,20.24) 37.98,19.97 37.98,19.59 arc(37.92,19.45) 37.78,19.4 37.52,19.4 arc(37.38,19.34) 37.33,19.2 37.33,19.1 arc(37.38,18.96) 37.52,18.91 37.78,18.91 arc(37.92,18.85) 37.98,18.71 37.98,18.61 arc(37.92,18.47) 37.78,18.42 37.52,18.42 arc(37.38,18.36) 37.33,18.22 37.33,18.12 arc(37.38,17.98) 37.52,17.93 37.78,17.93 arc(37.92,17.87) 37.98,17.73 37.98,17.63 arc(37.92,17.49) 37.78,17.44 37.52,17.44 arc(37.38,17.38) 37.33,17.24 37.33,17.14 arc(37.38,17) 37.52,16.95 37.78,16.95 arc(37.92,16.89) 37.98,16.75 37.98,16.46 arc(37.95,16.39) 37.88,16.36 arc(37.8,16.33) 37.78,16.26 37.78,15.97 arc(37.8,15.9) 37.88,15.87 arc(37.95,15.84) 37.98,15.77 37.98,15.48 arc(37.95,15.41) 37.88,15.38 arc(37.8,15.35) 37.78,15.28 37.78,14.99 arc(37.8,14.92) 37.88,14.89 arc(37.95,14.86) 37.98,14.79 37.98,14.19 37.5,13.72 37.5,11.48 v2(37.09,11.07) ; v2(43.46,24.99) 43.46,24.59 43.55,24.49 43.55,24.24 43.43,24.12 43.1,24.12 43.01,24.21 43.01,24.33 42.8,24.54 42.51,24.54 42.3,24.33 42.3,23.99 42.1,23.79 41.68,23.79 41.3,24.17 40.95,24.17 40.7,23.92 40.7,23.54 40.45,23.29 40.33,23.29 arc(40.16,23.36) 40.09,23.53 40.09,23.55 arc(40.01,23.72) 39.85,23.79 39.73,23.79 arc(39.56,23.72) 39.49,23.55 39.49,23.03 arc(39.41,22.86) 39.25,22.79 39.13,22.79 arc(38.96,22.86) 38.89,23.03 38.89,23.55 arc(38.81,23.72) 38.65,23.79 38.53,23.79 arc(38.36,23.72) 38.29,23.55 38.29,23.03 arc(38.21,22.86) 38.05,22.79 37.93,22.79 arc(37.76,22.86) 37.69,23.03 37.69,23.05 arc(37.61,23.22) 37.45,23.29 v2(36.93,23.29)
  L10 w0.187: v2(37.09,11.07) 38.15,11.07 38.95,10.27 39.45,10.27
/TOP_LEVEL_IO/ZYNQ_PS/DDR3_A14: length 41.5
  L5 w0.155: v2(43.46,23.39) 43.1,23.03 40.18,23.03 40.03,23.19 40.03,23.28 arc(40.07,23.4) 40.19,23.44 40.56,23.44 arc(40.68,23.49) 40.73,23.61 40.73,23.69 arc(40.68,23.81) 40.56,23.85 40.19,23.85 arc(40.07,23.9) 40.03,24.02 40.03,24.12 40.13,24.22 40.93,24.22 41.38,23.77 41.93,23.77 42.23,24.06 42.23,24.32 41.92,24.62 41.65,24.62 41.55,24.72 40.15,24.72 40.03,24.84 40.03,25.24 40.13,25.34 40.49,25.34 arc(40.62,25.4) 40.68,25.53 arc(40.73,25.66) 40.86,25.71 41.09,25.71 arc(41.22,25.66) 41.28,25.53 arc(41.33,25.4) 41.46,25.34 41.73,25.34 41.88,25.49 41.88,25.94 41.73,26.09 40.73,26.09 40.58,26.24 arc(40.54,26.34) 40.58,26.45 40.63,26.5 arc(40.67,26.6) 40.63,26.71 40.58,26.77 arc(40.47,26.81) 40.36,26.77 39.98,26.39 arc(39.87,26.34) 39.77,26.39 39.71,26.44 arc(39.67,26.55) 39.71,26.66 40.02,26.96 arc(40.05,27.04) 40.02,27.11 39.9,27.23 arc(39.82,27.26) 39.75,27.23 39.44,26.92 arc(39.34,26.88) 39.23,26.92 39.18,26.98 arc(39.13,27.09) 39.18,27.19 39.29,27.31 arc(39.34,27.42) 39.29,27.53 39.08,27.73 38.59,27.73 arc(38.48,27.78) 38.44,27.89 38.44,28.1 arc(38.39,28.21) 38.28,28.25 38.21,28.25 arc(38.1,28.21) 38.06,28.1 38.06,27.89 arc(38.01,27.78) 37.9,27.73 37.83,27.73 arc(37.72,27.78) 37.68,27.89 37.68,28.1 arc(37.63,28.21) 37.52,28.25 37.45,28.25 arc(37.34,28.21) 37.3,28.1 37.3,27.89 arc(37.25,27.78) 37.14,27.73 36.88,27.73 36.58,27.44 36.58,27.14 36.93,26.79 v2(36.93,26.49) 36.93,24.17 36.55,23.79 36.55,21.14 37.35,20.34 37.35,19.99 arc(37.39,19.9) 37.48,19.87 arc(37.56,19.83) 37.6,19.74 37.6,19.64 arc(37.56,19.55) 37.48,19.52 37.14,19.52 arc(37.04,19.48) 37,19.38 37,19.31 arc(37.04,19.21) 37.14,19.17 37.48,19.17 arc(37.56,19.13) 37.6,19.04 37.6,18.94 arc(37.56,18.85) 37.48,18.82 arc(37.39,18.78) 37.35,18.69 37.35,17.54 arc(37.38,17.47) 37.45,17.44 arc(37.51,17.41) 37.54,17.35 37.54,16.94 arc(37.51,16.87) 37.45,16.84 arc(37.38,16.81) 37.35,16.75 37.35,16.11 37.44,16.02 37.44,15.73 37.14,15.43 36.94,15.43 36.74,15.22 36.74,14.83 37.09,14.48 v2(37.09,14.27)
  L10 w0.187: v2(37.09,14.27) 37.55,14.27 38.2,14.92
